# Altium PCB PCB.PcbDoc (part 2 of 4) (continued)
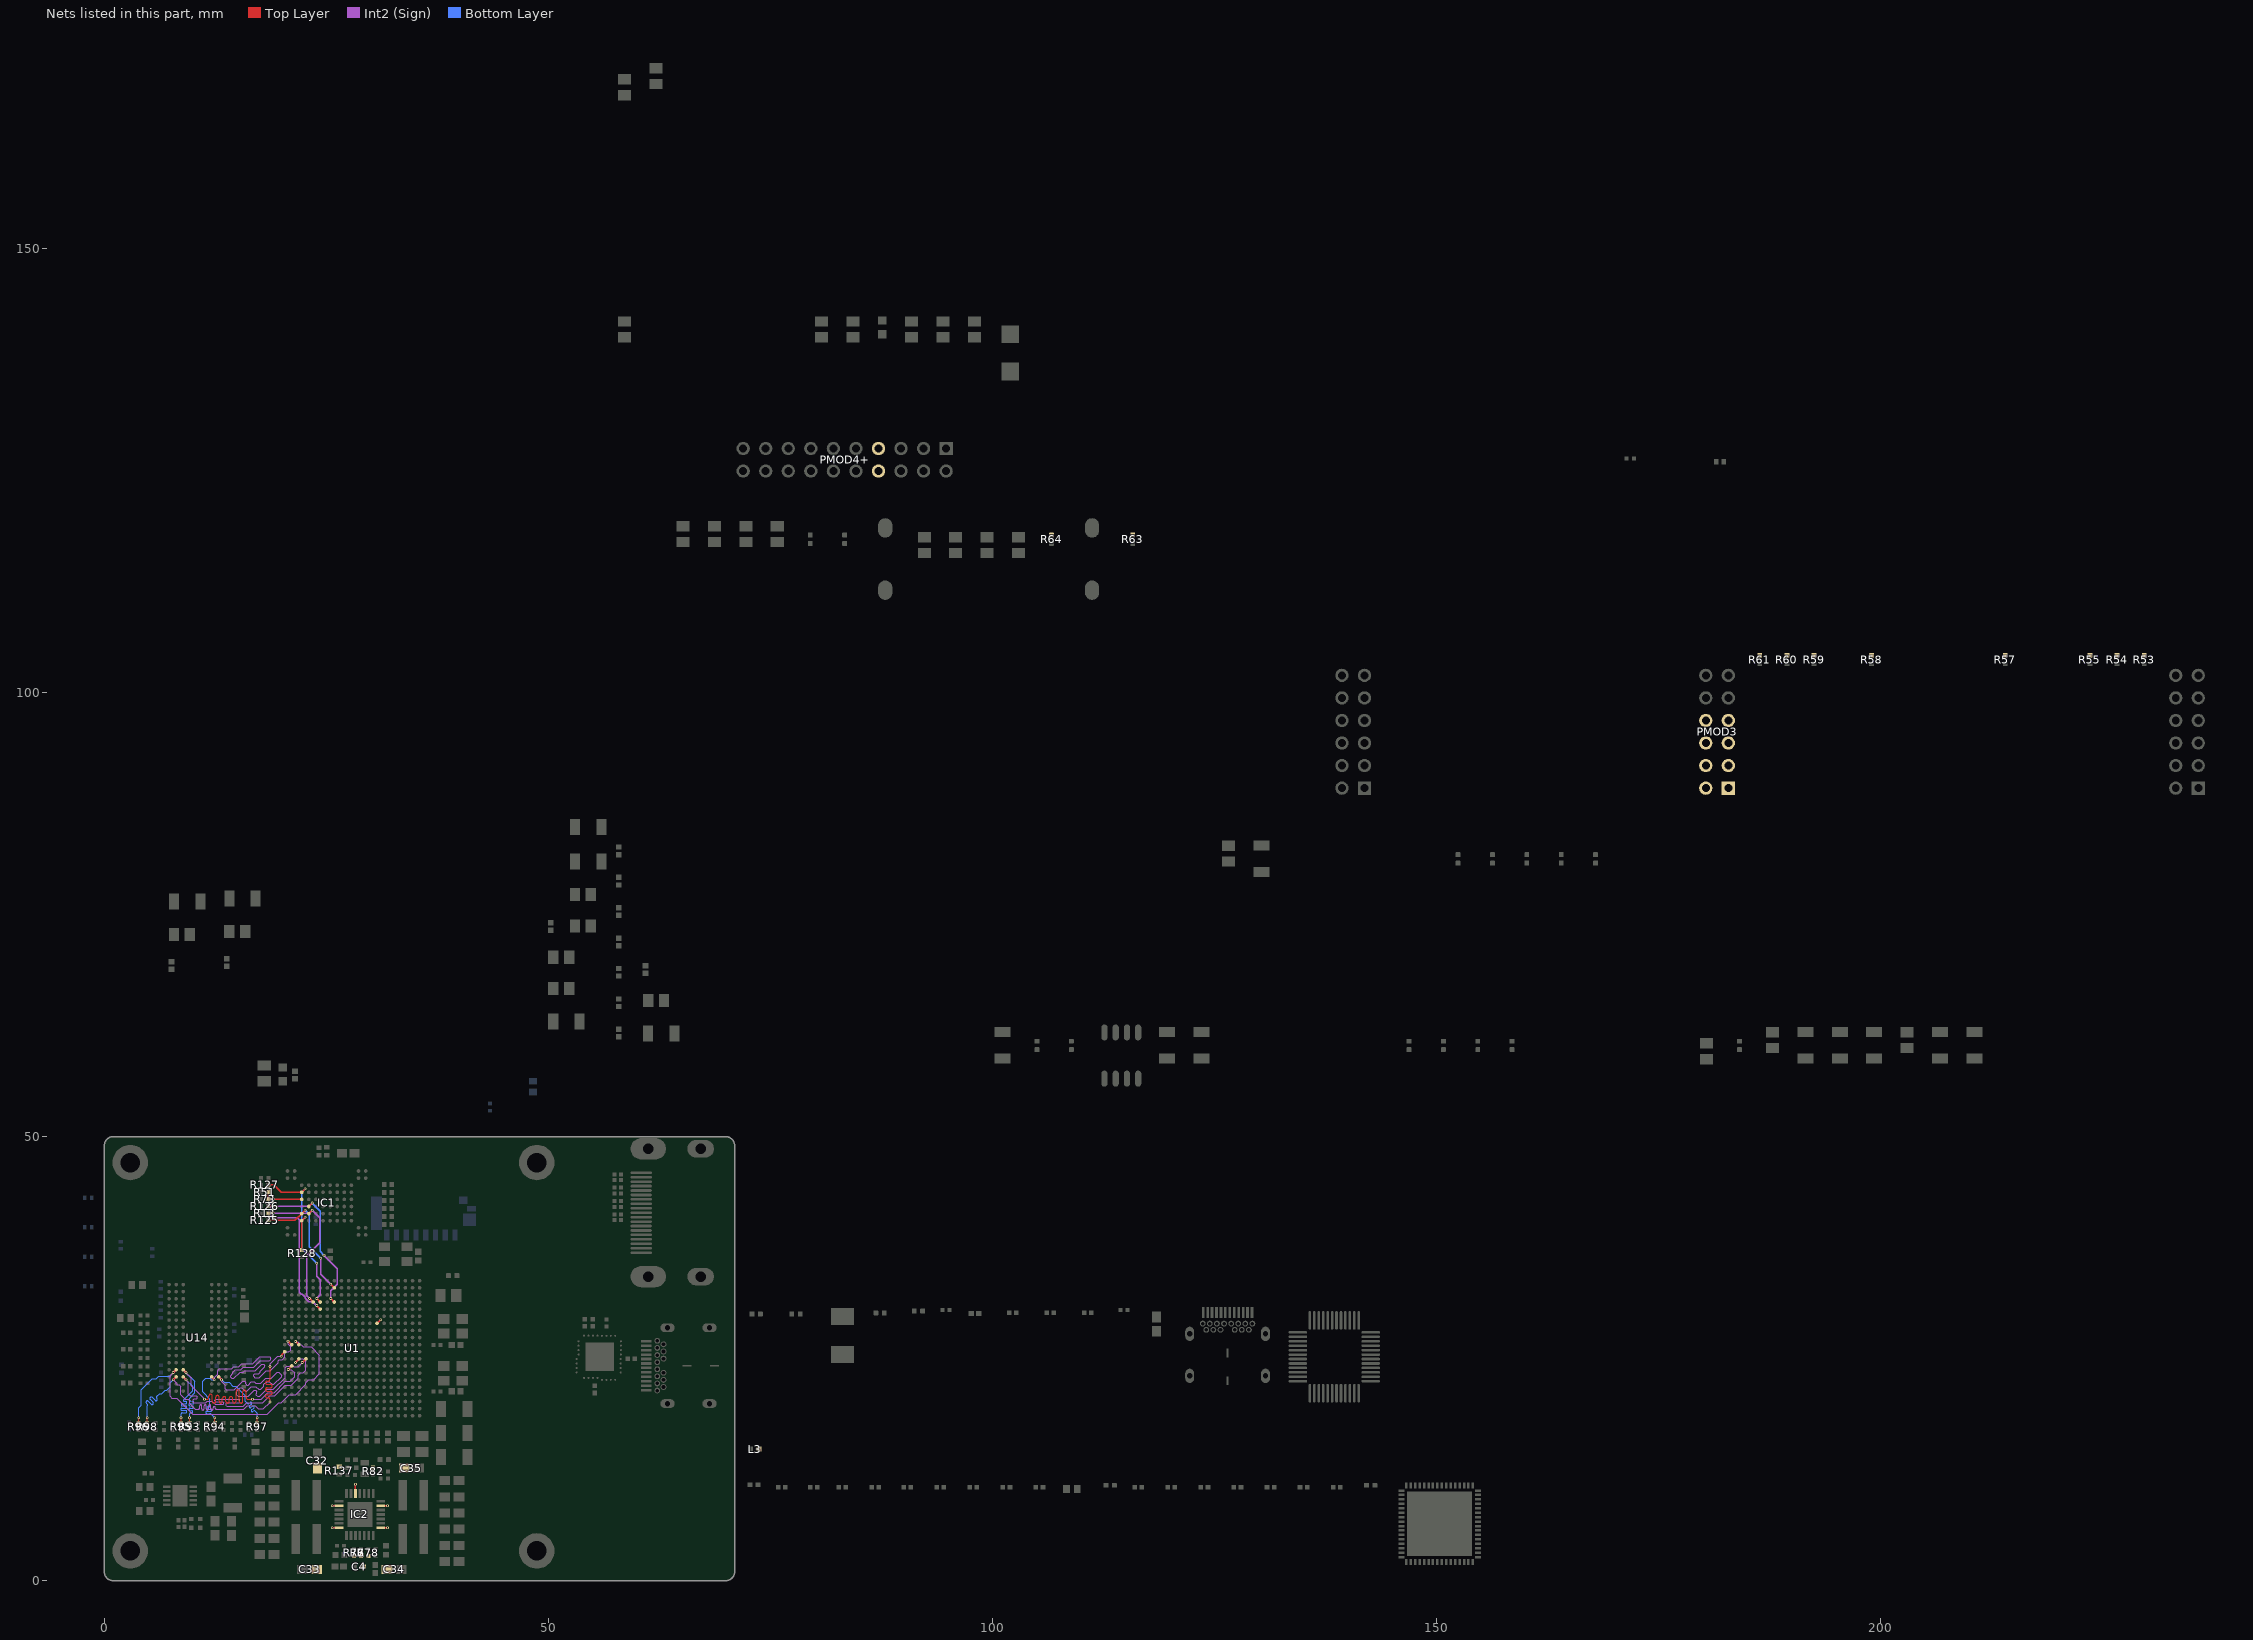
[diagram p6: the nets of this part, all layers, seen from the top]
## Part data (continued)
R120: library part CMP-2002-08125-1, Case Code (Imperial)=0402, Case Code (Metric)=1005, Manufacturer="Vishay Dale", Max Operating Temperature=155°C, Max Power Dissipation=63mW, Min Operating Temperature=-55°C, Package Quantity=1, Ratings=AEC-Q200, Resistance Tolerance=5%, Resistor Type="Thick Film", Supplier Part Number 1=71-CRCW0402J-100K-E3, Temperature Coefficient=200ppm/°C, Voltage Rating=50V, Case/Package=0402, Category="Chip SMD Resistors", ComponentLink1Description=https://datasheet.ciiva.com/2461/dcrcwe3-2461989.pdf?src-supplier=Digi-Key, ComponentLink1URL=https://datasheet.ciiva.com/2461/dcrcwe3-2461989.pdf?src-supplier=Digi-Key, ComponentLink2Description=https://datasheet.ciiva.com/2461/dcrcwe3-2461990.pdf?src-supplier=Digi-Key, ComponentLink2URL=https://datasheet.ciiva.com/2461/dcrcwe3-2461990.pdf?src-supplier=Digi-Key, ComponentLink3Description=https://datasheet.ciiva.com/2461/dcrcwe3-2461991.pdf?src-supplier=Digi-Key, ComponentLink3URL=https://datasheet.ciiva.com/2461/dcrcwe3-2461991.pdf?src-supplier=Digi-Key, ComponentLink4Description=https://datasheet.ciiva.com/5552/dcrcwe3-109170-5552439.pdf?src-supplier=Mouser, ComponentLink4URL=https://datasheet.ciiva.com/5552/dcrcwe3-109170-5552439.pdf?src-supplier=Mouser, ComponentLink5Description=https://datasheet.ciiva.com/7777/1533075-7777191.pdf?src-supplier=Element14, ComponentLink5URL=https://datasheet.ciiva.com/7777/1533075-7777191.pdf?src-supplier=Element14, ComponentLink6Description=https://datasheet.ciiva.com/3255/dcrcwe3-3255949.pdf?src-supplier=Avnet, ComponentLink6URL=https://datasheet.ciiva.com/3255/dcrcwe3-3255949.pdf?src-supplier=Avnet, ComponentLink7Description=https://datasheet.ciiva.com/3255/dcrcwe3-3255950.pdf?src-supplier=Avnet, ComponentLink7URL=https://datasheet.ciiva.com/3255/dcrcwe3-3255950.pdf?src-supplier=Avnet, ComponentLink8Description=https://datasheet.ciiva.com/16763/70201119-16763038.pdf?src-supplier=Allied+Electronics, ComponentLink8URL=https://datasheet.ciiva.com/16763/70201119-16763038.pdf?src-supplier=Allied+Electronics, ComponentLink9Description=https://datasheet.ciiva.com/28621/1847332-28621326.pdf?src-supplier=Element14, ComponentLink9URL=https://datasheet.ciiva.com/28621/1847332-28621326.pdf?src-supplier=Element14, Construction=Rectangular, Contact Plating=Tin, Depth=0.5mm, Features="Automotive AEC-Q200", Height=0.016inch, Length=1mm, Manufacturer Part Number=CRCW0402100KJNED, Military Standard=Not, Number of Terminations=2, Packaging="Tape and Reel", Part Number=CRCW0402100KJNED, Pins=2, Power Rating=63mW, Pricing 1="1=0.1, 10=0.033, 50=0.033, 100=0.014, 1000=0.007, 10000=0.003 (USD)", Radiation Hardening=No, Reach SVHC Compliant=Unknown, RoHS=Yes, RoHS Compliant=Yes, Series=CRCW, Stock 1=29683, Supplier 1=Mouser, Technology="THICK FILM", Termination=SMD/SMT, Tolerance=5%, Weight=2.3E-05oz, Width=0.02inch, Working Voltage=50V
R130: library part CMP-2002-00991-1, Case Code (Imperial)=0402, Case Code (Metric)=1005, Manufacturer=Panasonic, Max Operating Temperature=155°C, Max Power Dissipation=100mW, Min Operating Temperature=-55°C, Package Quantity=10000, Ratings=AEC-Q200, Resistance Tolerance=1%, Resistor Type="Thick Film", Supplier Part Number 1=667-ERJ-2RKF5492X, Temperature Coefficient=100ppm/°C, Voltage Rating=50V, Case/Package=0402, Category="Chip SMD Resistors", ComponentLink1Description=https://datasheet.ciiva.com/9188/aoa0000ce2-9188743.pdf?src-supplier=Avnet, ComponentLink1URL=https://datasheet.ciiva.com/9188/aoa0000ce2-9188743.pdf?src-supplier=Avnet, ComponentLink2Description=https://datasheet.ciiva.com/30146/aoa0000ce2-30146855.pdf?src-supplier=Onlinecomponents.com, ComponentLink2URL=https://datasheet.ciiva.com/30146/aoa0000ce2-30146855.pdf?src-supplier=Onlinecomponents.com, ComponentLink3Description=https://datasheet.ciiva.com/7937/aoa0000ce2-7937433.pdf?src-supplier=Element14, ComponentLink3URL=https://datasheet.ciiva.com/7937/aoa0000ce2-7937433.pdf?src-supplier=Element14, ComponentLink4Description=https://datasheet.ciiva.com/9188/aoa0000ce2-9188745.pdf?src-supplier=Avnet, ComponentLink4URL=https://datasheet.ciiva.com/9188/aoa0000ce2-9188745.pdf?src-supplier=Avnet, ComponentLink5Description=https://datasheet.ciiva.com/24023/aoa0000ce2-24023851.pdf?src-supplier=Mouser, ComponentLink5URL=https://datasheet.ciiva.com/24023/aoa0000ce2-24023851.pdf?src-supplier=Mouser, ComponentLink6Description=https://datasheet.ciiva.com/16789/70260748-16789053.pdf?src-supplier=Allied+Electronics, ComponentLink6URL=https://datasheet.ciiva.com/16789/70260748-16789053.pdf?src-supplier=Allied+Electronics, ComponentLink7Description=https://datasheet.ciiva.com/16766/70260748-16766094.pdf?src-supplier=Allied+Electronics, ComponentLink7URL=https://datasheet.ciiva.com/16766/70260748-16766094.pdf?src-supplier=Allied+Electronics, ComponentLink8Description=https://datasheet.ciiva.com/46420/1678782-46420255.pdf?src-supplier=Element14, ComponentLink8URL=https://datasheet.ciiva.com/46420/1678782-46420255.pdf?src-supplier=Element14, Construction=Rectangular, Contact Plating=Tin, Depth=0.5mm, Features="Automotive AEC-Q200", Height=0.35mm, Lead Free="Lead Free", Length=1mm, Manufacturer Part Number=ERJ-2RKF5492X, Military Standard=Not, Mounting Technology="Surface Mount", Number of Terminations=2, Packaging="Tape and Reel", Part Number=ERJ-2RKF5492X, Power Rating=100mW, Pricing 1="1=0.1, 10=0.018, 50=0.018, 100=0.008, 1000=0.006, 10000=0.004 (USD)", Reach SVHC Compliant=Yes, RoHS=Yes, RoHS Compliant=Yes, Series=ERJ, Stock 1=154313, Supplier 1=Mouser, Termination=SMD/SMT, Tolerance=1%, Voltage Rating (DC)=50V, Width=0.5mm
R135: library part CMP-1011-00758-2, Case Code (Imperial)=0402, Case Code (Metric)=1005, Manufacturer=Panasonic, Max Operating Temperature=155°C, Max Power Dissipation=100mW, Min Operating Temperature=-55°C, Package Quantity=10000, Ratings=AEC-Q200, Resistance Tolerance=1%, Resistor Type="Thick Film", Supplier Part Number 1=667-ERJ-2RKF1623X, Temperature Coefficient=100ppm/°C, Voltage Rating=50V, Case/Package=0402, Category="Chip SMD Resistors", ComponentLink1Description=https://datasheet.ciiva.com/7861/1678782-7861989.pdf?src-supplier=Element14, ComponentLink1URL=https://datasheet.ciiva.com/7861/1678782-7861989.pdf?src-supplier=Element14, ComponentLink2Description=https://datasheet.ciiva.com/22673/1678782-22673333.pdf?src-supplier=Element14, ComponentLink2URL=https://datasheet.ciiva.com/22673/1678782-22673333.pdf?src-supplier=Element14, ComponentLink3Description=https://datasheet.ciiva.com/22721/1678782-22721942.pdf?src-supplier=Farnell, ComponentLink3URL=https://datasheet.ciiva.com/22721/1678782-22721942.pdf?src-supplier=Farnell, ComponentLink4Description=https://datasheet.ciiva.com/16766/70260748-16766970.pdf?src-supplier=Allied+Electronics, ComponentLink4URL=https://datasheet.ciiva.com/16766/70260748-16766970.pdf?src-supplier=Allied+Electronics, ComponentLink5Description=https://datasheet.ciiva.com/43467/1678782-43467499.pdf?src-supplier=Farnell, ComponentLink5URL=https://datasheet.ciiva.com/43467/1678782-43467499.pdf?src-supplier=Farnell, ComponentLink6Description=https://datasheet.ciiva.com/16763/70260748-16763709.pdf?src-supplier=Allied+Electronics, ComponentLink6URL=https://datasheet.ciiva.com/16763/70260748-16763709.pdf?src-supplier=Allied+Electronics, ComponentLink7Description=https://datasheet.ciiva.com/46373/1678782-46373150.pdf?src-supplier=Element14, ComponentLink7URL=https://datasheet.ciiva.com/46373/1678782-46373150.pdf?src-supplier=Element14, ComponentLink8Description=https://datasheet.ciiva.com/28531/1694929-28531487.pdf?src-supplier=Element14, ComponentLink8URL=https://datasheet.ciiva.com/28531/1694929-28531487.pdf?src-supplier=Element14, ComponentLink9Description=https://datasheet.ciiva.com/46373/1678782-46373151.pdf?src-supplier=Element14, ComponentLink9URL=https://datasheet.ciiva.com/46373/1678782-46373151.pdf?src-supplier=Element14, Construction=Rectangular, Contact Plating=Tin, Depth=0.5mm, Features="Automotive AEC-Q200", Height=0.35mm, Lead Free="Lead Free", Length=1mm, Manufacturer Part Number=ERJ-2RKF1623X, Military Standard=Not, Mounting Technology="Surface Mount", Number of Terminations=2, Packaging="Tape and Reel", Part Number=ERJ-2RKF1623X, Power Rating=100mW, Pricing 1="1=0.1, 10=0.018, 50=0.018, 100=0.008, 1000=0.006, 10000=0.003 (USD)", Radiation Hardening=No, Reach SVHC Compliant=Yes, RoHS=Yes, RoHS Compliant=Yes, Series=ERJ, Stock 1=125254, Supplier 1=Mouser, Technology="THICK FILM", Termination=SMD/SMT, Tolerance=1%, Voltage Rating (DC)=50V, Weight=2.8E-05oz, Width=0.5mm
U1: "667 MHz Zynq?7000 AP SoC, 130 PS I/O, 100 FPGA I/O, 400-Ball BGA, Speed Grade 1, Industrial Grade, Pb-Free", Generic Part Number=XC7Z010, Manufacturer=Xilinx, Code_JEDEC=MO-275-MMAA-1, ComponentLink1Description=Datasheet, ComponentLink1URL=http://www.xilinx.com/support/documentation/data_sheets/ds190-Zynq-7000-Overview.pdf, ComponentLink2Description="Package Specification", ComponentLink2URL=http://www.xilinx.com/support/documentation/user_guides/ug865-Zynq-7000-Pkg-Pinout.pdf, ComponentLink3Description="DC and AC Switching Characteristics", ComponentLink3URL=http://www.xilinx.com/support/documentation/data_sheets/ds187-XC7Z010-XC7Z020-Data-Sheet.pdf, ComponentLink4Description="Package File", ComponentLink4URL=http://www.xilinx.com/support/packagefiles/z7packages/xc7z010clg400pkg.txt, ComponentLink5Description="Packaging and Pinout", ComponentLink5URL=http://www.xilinx.com/support/documentation/user_guides/ug865-Zynq-7000-Pkg-Pinout.pdf, ComponentLink6Description="PCB and Layout Guide", ComponentLink6URL=http://www.xilinx.com/support/documentation/user_guides/ug483_7Series_PCB.pdf, DatasheetVersion=v1.2, Extensible Block RAM (# 36Kb Blocks)="240 KB (60)", Flip Flops=35200, LUTs=17600, Mounting Technology="Surface Mount", PackageDescription="Wire-Bond Chip-Scale BGA, Body 17 x 17 mm, 0.8 mm Pitch", PackageReference=CLG400, PackageVersion="Rev 1.1", PartNumber=XC7Z010-1CLG400I, RoHS=Pb-Free, Speed Grade=-1
U2: library part CMP-0186-00336-2, "IC TRANSCEIVER HALF 1/1 32QFN", Ambient Temperature Range High=+85°C, Ambient Temperature Range Low=-40°C, Case/Package=QFN, Frequency=60MHz, Manufacturer=Microchip, Max Operating Temperature=85°C, Max Supply Voltage=5.5V, Min Supply Voltage=1.6V, Nominal Supply Current=0.7-29400uA, Operating Supply Current=18uA, Package=32QFN-3304-5X5B, Package Quantity=4000, Supplier Part Number 1=886-USB3320C-EZK-TR, Temperature="-40°C to +85°C", Automotive=No, Category=IC, ComponentLink1Description=https://datasheet.ciiva.com/29718/3320-29718762.pdf?src-supplier=Digi-Key, ComponentLink1URL=https://datasheet.ciiva.com/29718/3320-29718762.pdf?src-supplier=Digi-Key, ComponentLink2Description=Datasheet, ComponentLink2URL=http://ww1.microchip.com/downloads/en/DeviceDoc/00001792E.pdf, ComponentLink3Description=https://datasheet.ciiva.com/29718/filehandler-aspxddocname-en562261-29718763.pdf?src-supplier=Digi-Key, ComponentLink3URL=https://datasheet.ciiva.com/29718/filehandler-aspxddocname-en562261-29718763.pdf?src-supplier=Digi-Key, ComponentLink4Description=https://datasheet.ciiva.com/6635/filehandler-aspxddocname-en562261-6635128.pdf?src-supplier=Digi-Key, ComponentLink4URL=https://datasheet.ciiva.com/6635/filehandler-aspxddocname-en562261-6635128.pdf?src-supplier=Digi-Key, Data Rate=12Mbps, Device Class L1="Integrated Circuits (ICs)", Device Class L2="Interface ICs", Device Class L3="USB Interface ICs", Digikey Description="IC TRANSCEIVER HALF 1/1 32QFN", ESD Protection=Yes, Height=1mm, Interface=UART,USB, ipc land pattern name=QFN50P500X500X85-32, Lead Free=Yes, Length=5.1mm, Manufacturer Part Number=USB3320C-EZK-TR, Min Operating Temperature=-40°C, Mouser Description="Microchip USB3320C-EZK-TR, USB Transceiver, USB 2.0, 1.8 V, 3.3 V, 32-Pin QFN", Number of Ports=1, Number of Transceivers=1, Octopart=https://octopart.com/usb3320c-ezk-tr-microchip-24995468, Operating Supply Voltage=5.5V, Packaging="Tape and Reel", Pins=32, Pricing 1="1=2.17, 10=2.17, 50=1.92, 100=1.92, 1000=1.92, 10000=1.92 (USD)", Radiation Hardening=No, Receiver Hysteresis=50mV, RoHS=TRUE, RoHS Compliant=Yes, Series=flexPWR™, Simplex/Duplex="Half Duplex", Standoff Height=0mm, Stock 1=146343, Supplier 1=Mouser, Temperature Range High=+85°C, Temperature Range Low=-40°C, Usb Standard="USB 2.0", Weight=0.006653oz, Width=5.1mm
U3: library part EEPROM/AT24C256C-SSHL-T_[C6482], "MCU  Supervisor, 150mil SOP-8", Package=SOIC-8_150mil, SuppliersPartNumber=C6482, ComponentLink1Description=供应商链接, ComponentLink1URL=http://www.szlcsc.com/product/details_6947.html, Supplier=LC
U4: library part CMP-06298-000015-1, "IC USB 2.0 ETHER CTRLR 64QFN", Case/Package=QFN, Max Operating Temperature=85°C, Max Power Dissipation=857W, Max Supply Voltage=3.6V, Min Operating Temperature=-40°C, Min Supply Voltage=3V, Operating Supply Voltage=3.3V, Package Quantity=260, Contact Plating=Tin, Data Rate=100Mbps, Interface=USB, Lead Free="Lead Free", Mount="Surface Mount", Number of Pins=64, Packaging=Tray, Radiation Hardening=No, Series=-, Supply Voltage-Nom=3.3V
U5: library part CMP-0078-00036-3, "Single Channel Hi-Speed USB to Multipurpose UART/FIFO IC, 48-pin LQFP, Tray", Manufacturer=FTDI, ComponentLink1Description="Manufacturer URL", ComponentLink1URL=http://www.ftdichip.com/, ComponentLink2Description=Datasheet, ComponentLink2URL=http://www.ftdichip.com/Support/Documents/DataSheets/ICs/DS_FT232H.pdf, DatasheetVersion="ver 1.8, Dec-2012", PackageDescription="48-Pin Thin Quad Flat Pack, 7 x 7 mm Body, 0.5 mm Pitch", PackageReference=LQFP-48, PackageVersion=Dec-12, PartNumber=FT232HL-Tray, RevisionNote="DatasheetVersion updated to 1.8 Dec-2012"
U14: library part CMP-2000-06768-1, "4Gb DDR3 SDRAM, 256 Meg x 16, 1.5 V, 0 to 95 degC, 96-Ball FBGA (HA), RoHS, Tray", Manufacturer=Micron, Operating Temperature=0°C~95°C, Package / Case=96-TFBGA, Package Description="96-Ball Fine-Pitch Ball Grid Array, Body 14 x 9 mm, Pitch 0.8 mm", Package Reference=HA-96, Standard Package=1,000, Supplier Device Package=96-FBGA(9x14), Voltage - Supply=1.425V~1.575V, Category=IntegratedCircuits(ICs), Datasheet URL=https://www.micron.com/~/media/documents/products/data-sheet/dram/ddr3/4gb_ddr3_sdram.pdf, Datasheet Version="Rev. N, 12/2014", Family=Memory, Format - Memory=RAM, Interface=Parallel, Manufacturer URL=http://www.micron.com/, Memory Size=4G(256Mx16), memory type=DDR3SDRAM, Mounting Technology=SurfaceMount, Packaging=Tray, Speed=933MHz
U15: library part CMP-0395-00657-1, "Single Output LDO, 3 A, 2.375 to 3.5 V Input, with DDR Termination, 10-pin SON (DRC), -40 to 85 degC, Green (RoHS & no Sb/Br)", Case/Package=VSON, Manufacturer="Texas Instruments", Max Operating Temperature=85°C, Max Output current=3A, Max Power Dissipation=1.92W, Max Supply Voltage=3.5V, Min Input Voltage=2.3V, Min Operating Temperature=-40°C, Package Quantity=3000, Power Good=TRUE, Quiescent Current=500uA, Rating=Catalog, Reference Voltage=1.8V, Supplier Part Number 1=595-TPS51200DRCRG4, Category="Voltage Regulators - Linear", ComponentLink1Description="Manufacturer URL", ComponentLink1URL=http://www.ti.com/, ComponentLink2Description=Datasheet, ComponentLink2URL=http://www.ti.com/general/docs/lit/getliterature.tsp?genericPartNumber=TPS51200&fileType=pdf, ComponentLink3Description="Package Specification", ComponentLink3URL=http://www.ti.com/litv/pdf/mpds117k, ComponentLink4Description="URL Link1", ComponentLink4URL="Samples URL:http://www.ti.com/product/tps51200#samples", ComponentLink5Description=https://datasheet.ciiva.com/46622/tps51200-46622581.pdf?src-supplier=Digi-Key, ComponentLink5URL=https://datasheet.ciiva.com/46622/tps51200-46622581.pdf?src-supplier=Digi-Key, DatasheetVersion=SLUS812, Eco-Plan="Green (RoHS & no Sb/Br)", Iout(Max)(A)=3, Iq(Typ)(mA)=0.5, Lead Free="Lead Free", Manufacturer Part Number=TPS51200DRCRG4, Mounting Technology="Surface Mount", Number of Outputs=1, Output Current=3A, Output Type=Adjustable, Output Voltage=3.5V, PackageDescription="10-Pin Plastic Small Outline, Body 3 x 3 mm, Pitch 0.5 mm", PackageReference=DRC10-2400X1650TP, PackageVersion=4204102-3/L, Packaging="Tape and Reel", PartNumber=TPS51200DRCRG4, Pins=10, Polarity=Positive,Negative, Pricing 1="1=0.89, 10=0.798, 50=0.757, 100=0.622, 1000=0.435, 10000=0.369 (USD)", Radiation Hardening=No, RoHS=Yes, RoHS Compliant=Yes, Series=-, Stock 1=8962, SubFamily="Single Channel LDO", Supplier 1=Mouser, Vin(Max)(V)=3.5, Vin(Min)(V)=2.3
Y1: library part CMP-27762-006902-1, "XTAL Oscillator 33.3333MHz ±50ppm CMOS 1.8V 4-SMD 3.2mm x 2.5mm", Case/Package=SMD/SMT, Frequency=33.3333MHz, Frequency Stability=50ppm, Max Operating Temperature=85°C, Max Supply Current=6mA, Min Operating Temperature=-40°C, Mount="Surface Mount", Packaging="Tape and Reel"
Y2 Y3: library part CMP-27762-004169-1, "XTAL Oscillator 50MHz ±25ppm CMOS 3.3V 4-SMD 3.2mm x 2.5mm", Case/Package=SMD/SMT, Frequency=50MHz, Frequency Stability=25ppm, Load Capacitance=15pF, Manufacturer=Abracon, Max Operating Temperature=85°C, Max Supply Current=19mA, Max Supply Voltage=3.465V, Min Operating Temperature=-40°C, Min Supply Voltage=3.135V, Operating Supply Voltage=3.3V, Package Quantity=1000, Supplier Part Number 1=6086512, Category=Oscillators, ComponentLink1Description=http://www.abracon.com/Oscillators/ASEseries.pdf?src-supplier=Mouser, ComponentLink1URL=http://www.abracon.com/Oscillators/ASEseries.pdf?src-supplier=Mouser, Height=0.047inch, Length=0.126inch, Manufacturer Part Number=ASE-50.000MHZ-LR-T, Mount="Surface Mount", Mounting Technology="Surface Mount", Number of Pins=4, Packaging="Tape and Reel", Pins=4, Pricing 1="1000=1.05, 2000=1.04, 3000=1.03, 4000=1.02, 5000=1 (USD)", REACH SVHC="No SVHC", Reach SVHC Compliant=Unknown, RoHS=Yes, Series=ASE, Stock 1=2000, Supplier 1="Future Electronics", Width=0.098inch
Y4: library part CMP-27762-010912-1, "Crystal 12MHz ±20ppm 18pF SMD-2 6mm x 3.5mm", Case/Package=CSMD, ESR (Equivalent Series Resistance)=60R, Frequency=12MHz, Frequency Stability=30ppm, Frequency Tolerance=20ppm, Load Capacitance=18pF, Max Operating Temperature=85°C, Min Operating Temperature=-40°C, Operating Frequency="12 MHz", Package Quantity=1000, Resistor Type=Ceramic, Depth=3.5mm, Height=0.055inch, Lead Free="Lead Free", Length=6mm, Mount="Surface Mount", Number of Pins=2, Packaging="Tape and Reel", Radiation Hardening=No, Series=ABM7, Series Resistance=60R, Termination=SMD/SMT, Tolerance=20ppm, Width=0.138inch

## Via types
v1: diameter 0.3, hole 0.15, Top Layer to Bottom Layer, 451 vias
v2: diameter 0.6, hole 0.4, Top Layer to Bottom Layer, tented both sides, 32 vias
v3: diameter 0.5, hole 0.3, Top Layer to Bottom Layer, 16 vias
v4: diameter 0.5, hole 0.2, Top Layer to Bottom Layer, 4 vias

## Nets (pads, with @x,y where several pads share a name; then routed paths per layer and width w, separated by ;. In a path a pad name is that pad's centre, name@x,y a point inside that pad or via, vN(x,y) a via of type N, cw(c..) or ccw(c..) an arc to the next point about the centre after c; other vN are vias at no path point)
#RE_0: IC1.D4 R13.1 U1.D5 | length 17.2
  Top Layer w0.15: R13.1@18.48,41.37 v1(19.08,41.37) ; IC1.D4@23.04,41.335 IC1.D4@23.04,41.34 23.42,41.72 v1(23.42,41.725) ; v1(23.12,31.78) U1.D5@23.52,31.38
  Int2 (Sign) w0.15: v1(19.08,41.37) 23.065,41.37 v1(23.42,41.725) 24.27,40.875 24.27,38.06 22.79,36.58 22.79,32.113 22.875,32.028 22.875,32.025 v1(23.12,31.78)
#WE_0: IC1.C7 R127.1 U1.D6 | length 18.7
  Top Layer w0.15: R127.1@18.48,44.57 19.09,44.57 19.92,43.74 IC1.C7@22.24,43.74 22.62,44.12 v1(22.62,44.125) ; v1(23.92,31.78) U1.D6@24.32,31.38
  Int2 (Sign) w0.15: v1(23.92,31.78) 24.34,32.2 24.34,33.87 23.95,34.26 v1(23.95,35.74)
  Bottom Layer w0.15: v1(22.62,44.125) 22.25,43.755 22.25,37.44 v1(23.95,35.74)
#WP: IC1.C3 R128.1 | length 3.8
  Top Layer w0.15: R128.1@22.28,37.26 22.24,37.3 IC1.C3@22.24,40.54 22.62,40.92 v1(22.62,40.925)
+PV: C4.1 C32.1 C33.1 C34.1 C35.1 IC2.2 IC2.7 IC2.15 IC2.20 IC2.26 L3.2 R76.1 R77.1 R78.1 R82.1 R137.2 | length 4.1
  Top Layer w0.15: v1(25.67,5.95) IC2.7@26.44,5.95 ; v1(25.67,8.45) IC2.2@26.44,8.45 ; IC2.26@28.29,9.8 v1(28.29,10.86) ; IC2.15@31.14,5.95 v1(31.91,5.95) ; IC2.20@31.14,8.45 v1(31.91,8.45)
ALE_0: IC1.C4 R125.1 U1.B8 | length 14.7
  Top Layer w0.15: R125.1@18.48,40.57 21.47,40.57 IC1.C4@22.24,41.34 22.62,41.72 v1(22.62,41.725) ; v1(25.52,33.38) U1.B8@25.92,32.98
  Int2 (Sign) w0.15: v1(24.39,36.32) 24.39,34.51 v1(25.52,33.38)
  Bottom Layer w0.15: v1(22.62,41.725) 23.09,41.255 23.09,37.62 v1(24.39,36.32)
B21: PMOD3.3 R53.2
B22: PMOD3.7 R54.2
B23: PMOD3.6 R55.2
B24: PMOD3.2 R57.2
B31: PMOD3.1 R58.2
B32: PMOD3.5 R59.2
B33: PMOD3.8 R60.2
B34: PMOD3.4 R61.2
BTN0: PMOD4+.7 R63.2
BTN1: PMOD4+.8 R64.2
CE_B2: U1.G14 | length 0.6
  Top Layer w0.15: U1.G14@30.73,28.99 v1(31.13,29.39)
CLK_0: IC1.D5 R126.1 U1.D8 | length 18.4
  Top Layer w0.15: R126.1@18.48,42.17 18.5,42.15 v1(19.08,42.15) ; IC1.D5@23.04,42.135 IC1.D5@23.04,42.14 23.42,42.52 v1(23.42,42.525) ; v1(25.515,31.78) 25.518,31.78 25.917,31.38 U1.D8@25.92,31.38
  Int2 (Sign) w0.15: v1(19.08,42.15) 23.045,42.15 v1(23.42,42.525) ; v1(24.75,36.66) 26.255,35.155 26.255,33.375 25.52,32.64 25.52,31.785 v1(25.515,31.78)
  Bottom Layer w0.15: v1(23.42,42.525) 24.32,41.625 24.32,37.09 v1(24.75,36.66)
CS_0: IC1.C6 R51.1 R73.2 U1.E6 | length 21.4
  Top Layer w0.15: R51.1@18.48,43.77 R73.2@18.48,42.97 18.51,42.94 22.235,42.94 IC1.C6@22.24,42.935 ; v1(23.92,30.98) U1.E6@24.32,30.58
  Int2 (Sign) w0.15: v1(19.069,42.949) 18.75,42.63 18.75,40.938 18.838,40.85 21.75,40.85 21.95,40.65 21.95,32.47 22.165,32.255 22.295,32.255 22.625,31.924 22.625,31.815 23.01,31.43 23.47,31.43 v1(23.92,30.98)
DDR-0-A0: R93.2 U1.N2 U14.N3 | length 35.7
  Top Layer w0.127: R93.2@9.604,17.76 v1(9.604,18.334) ; v1(11.297,20.437) 11.54,20.437 11.604,20.437 ccw(c11.604,20.627) 11.794,20.627 11.794,20.796 cw(c11.985,20.796) 12.175,20.796 12.175,20.187 ccw(c12.366,20.187) 12.556,20.187 12.556,20.678 cw(c12.747,20.678) 12.937,20.678 12.937,20.187 ccw(c13.128,20.187) 13.318,20.187 13.318,20.538 cw(c13.509,20.538) 13.699,20.538 13.699,20.187 ccw(c13.89,20.187) 14.08,20.187 14.08,20.538 cw(c14.271,20.538) 14.461,20.538 14.461,20.187 ccw(c14.652,20.187) 14.842,20.187 14.842,21.302 cw(c15.033,21.302) 15.223,21.302 15.223,20.187 ccw(c15.414,20.187) 15.604,20.187 15.604,21.266 cw(c15.795,21.266) 15.985,21.266 15.985,20.627 ccw(c16.176,20.627) 16.176,20.437 16.435,20.437 v1(16.69,20.437)
  Top Layer w0.15: v1(20.72,23.777) v1(20.72,23.777) U1.N2@21.12,24.18 U1.N2@21.12,24.18
  Top Layer w0.237: U14.N3@8.898,23.75 v1(9.207,23.44)
  Int2 (Sign) w0.127: v1(9.207,23.44) 9.8,22.847 9.8,21.933 v1(11.297,20.437) ; v1(16.69,20.437) 17.677,20.437 18.424,21.183 19.127,21.183 20.404,22.46 20.94,22.46 21.43,22.95 21.43,23.39 21.04,23.78 20.724,23.78 v1(20.72,23.777)
  Bottom Layer w0.127: v1(9.207,23.44) 10.21,22.437 10.21,21.14 9.604,20.534 9.604,20.402 9.604,20.321 ccw(c9.731,20.321) 9.714,20.195 9.995,20.158 cw(c9.978,20.033) 9.962,19.907 9.665,19.945 ccw(c9.648,19.82) 9.522,19.836 ccw(c9.648,19.82) 9.632,19.694 9.929,19.655 cw(c9.912,19.529) 10.038,19.512 cw(c9.912,19.529) 9.896,19.403 9.667,19.433 ccw(c9.651,19.307) 9.525,19.323 ccw(c9.651,19.307) 9.634,19.181 9.863,19.151 cw(c9.846,19.025) 9.972,19.009 cw(c9.846,19.025) 9.83,18.899 9.747,18.91 ccw(c9.731,18.784) 9.604,18.784 9.604,18.593 v1(9.604,18.334)
DDR-0-A1: R94.2 U1.K2 U14.P7 | length 36.7
  Top Layer w0.127: R94.2@12.463,17.76 v1(12.463,18.334)
  Top Layer w0.15: v1(20.7,26.957) 20.722,26.957 21.088,26.59 U1.K2@21.1,26.59
  Top Layer w0.237: U14.P7@12.098,22.95 v1(12.407,22.642)
  Int2 (Sign) w0.127: v1(12.407,22.642) 12.425,22.659 12.425,22.887 12.76,23.223 12.76,23.65 12.98,23.87 14.35,23.87 14.58,24.1 15.16,24.1 15.463,24.403 16.743,24.403 17.533,25.193 18.616,25.193 18.737,25.072 18.737,24.901 18.586,24.75 17.56,24.75 16.84,24.03 15.64,24.03 15.37,23.76 14.78,23.76 14.48,23.46 14.48,23.361 14.22,23.101 14.22,22.929 14.369,22.78 14.6,22.78 15.29,23.47 15.67,23.47 15.84,23.64 17,23.64 17.75,24.39 17.957,24.39 18.078,24.269 18.078,24.098 17.912,23.932 17.892,23.932 17.55,23.59 17.55,23.451 17.429,23.33 16.97,23.33 16.83,23.19 16.83,22.998 16.951,22.877 17.477,22.877 18.24,23.64 18.71,23.64 19.588,24.518 19.588,24.748 19.727,24.887 19.794,24.887 19.796,24.889 20.039,24.889 20.33,25.18 20.33,25.58 20.515,25.765 20.799,25.765 21.007,25.973 21.007,26.363 20.718,26.652 20.718,26.939 v1(20.7,26.957)
  Bottom Layer w0.127: v1(12.407,22.642) 12.398,22.65 12.066,22.65 11.945,22.772 11.426,22.772 11.103,22.449 11.103,21.247 11.91,20.44 11.91,20.13 11.91,19.69 cw(c11.783,19.69) 11.783,19.563 11.652,19.563 ccw(c11.652,19.436) 11.652,19.309 11.97,19.309 cw(c11.97,19.182) 11.97,19.055 11.551,19.055 ccw(c11.551,18.928) 11.551,18.801 11.906,18.801 cw(c11.906,18.585) 12.06,18.738 12.123,18.674 v1(12.463,18.334)
DDR-0-A2: R95.2 U1.M3 U14.P3 | length 36.9
  Top Layer w0.127: R95.2@8.651,17.76 v1(8.651,18.334)
  Top Layer w0.15: v1(21.546,24.56) 21.546,24.583 21.91,24.947 U1.M3@21.91,24.96
  Top Layer w0.237: U14.P3@8.898,22.95 v1(9.207,22.642)
  Int2 (Sign) w0.127: v1(9.207,22.642) 9.48,22.368 9.48,21.01 9.69,20.8 10.39,20.8 10.47,20.72 10.47,20.539 10.411,20.48 10.149,20.48 10.05,20.381 10.05,20.099 10.109,20.04 11.43,20.04 11.62,20.23 12.11,20.23 12.5,19.84 13.38,19.84 13.47,19.93 13.47,20.03 13.34,20.16 12.55,20.16 12.451,20.259 12.451,20.341 12.56,20.45 15.186,20.45 15.26,20.376 15.26,20.134 15.186,20.06 13.819,20.06 13.76,20.001 13.76,19.7 13.84,19.62 15.63,19.62 16.05,20.04 17.84,20.04 18.635,20.835 19.213,20.835 20.378,22 21.04,22 21.83,22.79 21.83,23.16 22.065,23.395 22.435,23.395 22.71,23.67 22.71,24.66 22.36,25.01 21.96,25.01 21.839,24.889 21.839,24.879 21.546,24.585 v1(21.546,24.56)
  Bottom Layer w0.127: v1(8.651,18.334) 8.651,18.466 8.651,18.784 cw(c8.778,18.784) 8.778,18.911 9.181,18.911 ccw(c9.181,19.038) 9.181,19.165 8.743,19.165 cw(c8.743,19.292) 8.743,19.419 9.181,19.419 ccw(c9.181,19.546) 9.181,19.673 8.774,19.673 cw(c8.774,19.8) 8.774,19.927 9.181,19.927 ccw(c9.181,20.054) 9.181,20.181 9.047,20.181 cw(c9.047,20.308) 8.957,20.397 9.062,20.502 9.96,21.4 9.96,21.888 v1(9.207,22.642)
DDR-0-A3: R96.2 U1.K3 U14.N2 | length 37.1
  Top Layer w0.127: R96.2@3.886,17.76 v1(3.886,18.334)
  Top Layer w0.15: v1(21.55,26.94) 21.555,26.94 21.9,26.595 U1.K3@21.9,26.59
  Top Layer w0.237: v1(7.79,23.442) U14.N2@8.098,23.75
  Int2 (Sign) w0.127: v1@7.784,23.442 7.419,23.077 7.419,20.751 7.6,20.57 8.16,20.57 9.99,18.74 18.37,18.74 19.68,20.05 19.93,20.05 20.84,20.96 21.569,20.96 22.7,22.091 22.7,22.31 23.04,22.65 23.58,22.65 24.224,23.294 24.224,24.7 24.202,24.721 24.202,25.408 23.294,26.316 22.426,26.316 21.82,26.922 21.568,26.922 v1(21.55,26.94)
  Bottom Layer w0.127: v1(3.886,18.334) 3.886,19.466 4.185,19.765 4.185,21.525 5.39,22.73 5.833,22.73 6.148,23.045 7.393,23.045 v1(7.79,23.442)
DDR-0-A4: R97.2 U1.M4 U14.P8 | length 36.8
  Top Layer w0.127: R97.2@17.228,17.76 v1(17.228,18.334)
  Top Layer w0.15: v1(22.31,24.56) U1.M4@22.71,24.96
  Top Layer w0.237: U14.P8@12.898,22.95 v1(13.207,22.642)
  Int2 (Sign) w0.127: v1(13.207,22.642) 13.225,22.624 13.225,22.397 13.608,22.013 13.608,21.613 13.73,21.492 14.632,21.492 15.61,22.47 15.81,22.47 15.91,22.37 15.91,22.153 16.031,22.032 16.202,22.032 16.555,22.385 16.915,22.385 17.09,22.21 17.6,22.21 18.18,22.79 18.82,22.79 19.49,23.46 19.661,23.46 19.965,23.156 19.965,22.985 19.081,22.101 18.909,22.101 18.6,22.41 18.29,22.41 17.99,22.11 17.99,21.91 17.63,21.55 17.38,21.55 17.065,21.865 16.575,21.865 16.046,21.336 15.874,21.336 15.501,21.709 15.329,21.709 14.95,21.33 14.95,20.901 15.071,20.78 16.221,20.78 16.87,21.429 17.041,21.429 17.204,21.266 17.204,21.104 17.14,21.04 17.14,20.901 17.261,20.78 17.54,20.78 18.31,21.55 19.06,21.55 20.367,22.857 20.367,23.967 20.53,24.13 20.865,24.13 20.995,24.26 21.19,24.26 21.34,24.11 21.86,24.11 v1(22.31,24.56)
  Bottom Layer w0.127: v1(13.207,22.642) 13.518,22.33 14.06,22.33 14.49,21.9 14.82,21.9 15.87,20.85 15.87,20.22 16.05,20.04 16.096,19.994 16.114,19.976 ccw(c16.204,20.065) 16.274,19.959 16.428,20.061 cw(c16.498,19.955) 16.604,20.025 cw(c16.498,19.955) 16.568,19.849 16.383,19.727 ccw(c16.452,19.621) 16.346,19.551 ccw(c16.452,19.621) 16.522,19.515 16.707,19.636 cw(c16.777,19.53) 16.883,19.6 cw(c16.777,19.53) 16.847,19.424 16.608,19.267 ccw(c16.678,19.161) 16.572,19.091 ccw(c16.678,19.161) 16.748,19.055 16.835,19.112 cw(c16.904,19.006) 16.994,19.096 17.228,18.862 17.228,18.509 v1(17.228,18.334)
DDR-0-A5: R98.2 U1.L1 U14.P2 | length 35.9
  Top Layer w0.127: R98.2@4.839,17.76 v1(4.839,18.334) ; v1(18.67,20.12) 18.67,20.323 18.67,20.387 ccw(c18.48,20.387) 18.48,20.577 18.349,20.577 cw(c18.349,20.768) 18.349,20.958 18.72,20.958 ccw(c18.72,21.149) 18.72,21.339 18.349,21.339 cw(c18.349,21.53) 18.349,21.72 18.72,21.72 ccw(c18.72,21.911) 18.72,22.101 18.349,22.101 cw(c18.349,22.292) 18.349,22.482 18.48,22.482 ccw(c18.48,22.673) 18.67,22.673 18.67,23.945 v1(18.67,24.12)
  Top Layer w0.15: v1(19.941,25.291) 19.97,25.319 19.97,25.42 U1.L1@20.31,25.76
  Top Layer w0.237: v1(7.79,22.642) U14.P2@8.098,22.95
  Int2 (Sign) w0.127: v1(7.79,22.642) 7.79,22.616 8.1,22.306 8.1,22.18 8.24,22.04 8.429,22.04 8.627,21.842 8.627,20.934 9.139,20.423 9.484,20.423 9.62,20.288 9.62,19.91 10.24,19.29 10.25,19.29 10.602,19.29 ccw(c10.602,19.417) 10.729,19.417 10.729,19.675 cw(c10.856,19.675) 10.983,19.675 10.983,19.337 ccw(c11.11,19.337) 11.237,19.337 11.237,19.675 cw(c11.364,19.675) 11.491,19.675 11.491,19.337 ccw(c11.618,19.337) 11.745,19.337 11.745,19.675 cw(c11.872,19.675) 11.999,19.675 11.999,19.337 ccw(c12.126,19.337) 12.253,19.337 12.253,19.486 cw(c12.38,19.486) 12.507,19.486 12.507,19.417 ccw(c12.634,19.417) 12.634,19.29 12.951,19.29 15.7,19.29 16.13,19.72 16.993,19.72 17.343,19.37 17.92,19.37 v1(18.67,20.12) ; v1(18.67,24.12) 18.688,24.138 18.688,24.418 19.543,25.273 19.923,25.273 v1(19.941,25.291)
  Bottom Layer w0.127: v1(4.839,18.334) 4.839,19.583 4.839,19.669 4.841,19.671 ccw(c4.733,19.778) 4.841,19.886 4.745,19.981 cw(c4.853,20.089) 4.745,20.197 cw(c4.853,20.089) 4.961,20.197 5.287,19.871 ccw(c5.394,19.979) 5.502,19.871 ccw(c5.394,19.979) 5.502,20.086 5.176,20.412 cw(c5.284,20.52) 5.176,20.628 cw(c5.284,20.52) 5.392,20.628 5.718,20.302 ccw(c5.826,20.41) 5.933,20.302 ccw(c5.826,20.41) 5.933,20.517 5.918,20.533 cw(c6.026,20.64) 5.918,20.748 6.234,21.064 6.259,21.064 6.484,21.064 6.878,21.458 7.05,21.458 7.438,21.847 7.438,22.29 v1(7.79,22.642)